# KiCad board CLN17-V1.5.kicad_pcb (continued)
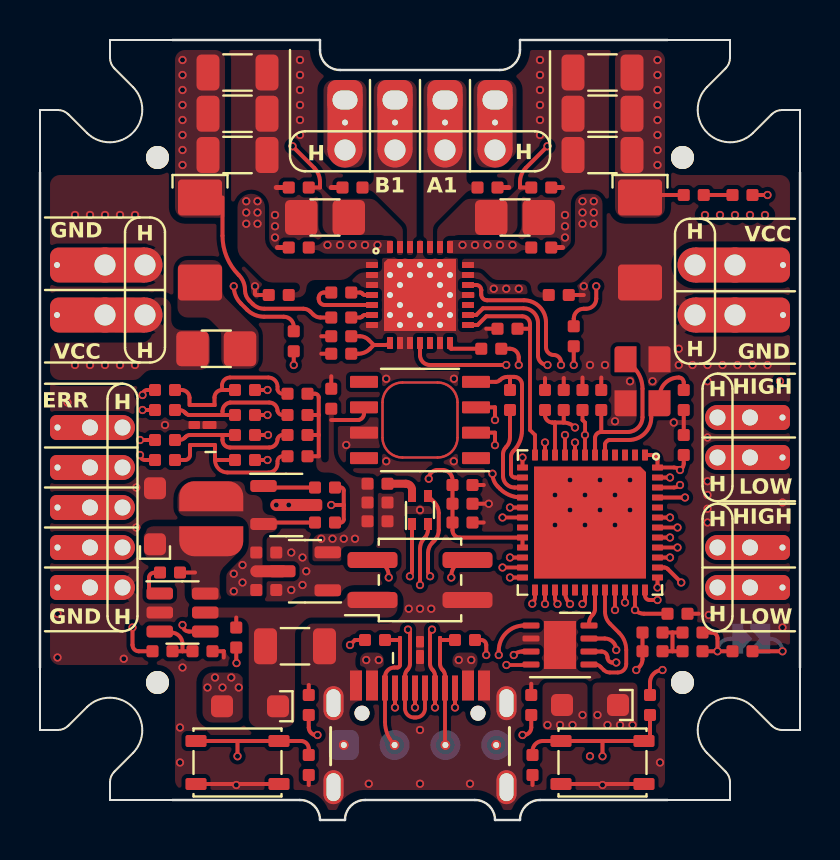
[diagram p0: board, top side]
## Routing (per net, layer and track width the routed paths; a pad name or vN(x,y) marks a point on that pad's centre or on a via; arc(x,y) is an arc through that point) (continued)
/A2: length 3
  Top w0.3: 22.2,33.5 J4.4
  In2.Cu w1.5: J4.4 J4.4
  vias: v1(27.12,30.94) v1(27.12,30.38) v1(27.12,29.81) v1(27.69,30.94) v1(27.69,30.38) v1(27.69,29.81)
/B1: length 5
  In1.Cu w1.5: J4.2 J4.2
  In2.Cu w1.5: J4.2 J4.2
/B2: length 3.1
  Top w0.3: 15.8,33.5 J4.1
  In2.Cu w1.5: J4.1 J4.1
  vias: v1(10.31,30.94) v1(10.31,30.38) v1(10.31,29.81) v1(10.88,30.94) v1(10.88,30.38) v1(10.88,29.81)
/CAN_IO: length 6.3
  Top w0.19: IC1.32 28.25,10.42 arc(28.31,10.09) 28.5,9.81 28.96,9.35 arc(29.22,8.96) 29.31,8.5 29.31,7.8 arc(29.19,7.5) 28.89,7.38 28.49,7.38 arc(28.33,7.41) 28.19,7.5 28.02,7.66 arc(27.9,7.75) 27.75,7.77
  Top w0.195: U8.5 27.75,7.77
/CAN_N: length 27.4
  Top w0.2: v1(28.81,7.88) 28.59,7.88 arc(28.43,7.96) 28.38,8.12 arc(28.29,8.34) 28.08,8.42 27.7,8.42 ; R28.1 R31.1 30.12,8.04 arc(30.08,7.83) 29.97,7.66 v1(29.81,7.5)
  In1.Cu w0.15: v1(29.81,7.5) 30.62,8.31 ; 30.62,8.31 33.83,11.52 arc(33.86,11.57) J7.2 ; 30.62,8.31 arc(30.35,8.13) 30.02,8.06 29.27,8.06 arc(29.02,8.01) v1(28.81,7.88)
  In1.Cu w0.2: J6.2 J6.2 ; J7.2 J7.2
  In2.Cu w0.2: 36.5,18.12 J6.2 ; 36.5,18.12 J6.2 ; 36.5,18.12 36.5,11.62 ; J7.2 36.5,11.62 ; 36.5,11.62 J7.2
/CAN_P: length 35.6
  Top w0.2: 27.7,9.08 28.24,9.08 arc(28.64,8.91) v1(28.81,8.5) ; R8.2 v1(37.12,8.44)
  In1.Cu w0.15: J7.1 33.38,13.13 arc(32.96,12.5) 32.81,11.77 32.81,11.47 arc(32.71,10.98) 32.44,10.56 30.38,8.5 arc(30.2,8.38) 29.99,8.34 29.19,8.34 arc(28.99,8.38) v1(28.81,8.5)
  In1.Cu w0.2: 36.5,13.62 36.5,9.62 arc(36.6,9.11) 36.9,8.67 v1(37.12,8.44) ; 36.5,13.62 36.5,20.12 ; 36.5,13.62 J7.1 ; 36.5,13.62 J7.1 ; 36.5,20.12 J6.1 ; 36.5,20.12 J6.1
  In2.Cu w0.2: J6.1 J6.1 ; J7.1 J7.1
  Bottom w0.2: JP1.2 36.5,9.06 arc(36.94,8.88) v1(37.12,8.44)
/CAN_RX: length 19
  Top w0.19: IC1.46 31.7,16.62 arc(31.86,16.66) v1(32,16.75) ; 23.32,7.75 24.52,7.75
  Top w0.2: 24.52,7.75 U8.4 24.75,7.77 24.77,7.75 ; v1(23.32,7.75) 23.32,7.75
  In1.Cu w0.13: 23.44,7.8 23.39,7.75 v1(23.32,7.75) 23.34,7.77 23.71,7.77 23.78,7.79 23.92,7.85 23.97,7.9 24.13,8.06 24.21,8.14 24.4,8.28 24.61,8.39 24.84,8.46 25.07,8.5 25.19,8.5 27.45,8.5 27.57,8.5 27.8,8.54 28.03,8.61 28.24,8.72 28.43,8.86 28.52,8.94 28.55,8.98 28.64,9.01 28.69,9.02 29.69,9.02 arc(30.22,9.12) 30.67,9.42 31.12,9.88 arc(31.46,10.38) 31.58,10.97 31.58,11.88 arc(31.64,12.18) 31.81,12.44 32.34,12.97 arc(32.56,13.29) 32.63,13.67 32.63,14.63 arc(32.56,15.01) 32.34,15.34 31.95,15.73 arc(31.81,15.94) 31.76,16.19 arc(31.82,16.49) 31.99,16.74 v1(32,16.75)
/CAN_SD: length 1.9
  Top w0.2: IC1.31 27.75,10.55 arc(27.72,10.39) 27.62,10.25 arc(27.5,10.06) 27.45,9.83 U8.8
/CAN_TX: length 19.8
  Top w0.2: v1(22.94,8.25) 22.94,8.46 arc(23.31,9.35) 24.2,9.73 24.8,9.73 ; IC1.47 v1(31.5,17.12)
  In1.Cu w0.13: v1(31.5,17.12) 31.5,16.12 arc(31.56,15.84) 31.72,15.59 32.08,15.23 arc(32.3,14.91) 32.38,14.52 32.38,13.78 arc(32.3,13.4) 32.08,13.07 31.53,12.52 arc(31.38,12.24) 31.32,11.93 31.32,11 arc(31.22,10.48) 30.92,10.04 30.53,9.65 arc(30.12,9.37) 29.62,9.27 28.64,9.27 arc(28.49,9.25) 28.37,9.16 28.37,9.16 arc(27.96,8.89) 27.48,8.79 24,8.8 23.9,8.79 23.71,8.76 23.52,8.7 23.35,8.61 23.19,8.5 23.12,8.43 v1(22.94,8.25)
/CC1: length 6.6
  Top w0.2: R29.2 13.44,4.62 arc(13.51,4.4) 13.7,4.26 13.86,4.26 v1(13.88,4.25) ; J3.A5 v1(17.75,5.62)
  In1.Cu w0.13: v1(17.75,5.62) 17.07,4.94 arc(16.58,4.61) 16,4.5 14.48,4.5 arc(14.15,4.44) v1(13.88,4.25) 13.88,4.25
/CC2: length 6.3
  Top w0.2: v1(24.12,4.25) 24.13,4.25 24.25,4.25 arc(24.47,4.38) 24.56,4.63 R37.2 ; J3.B5 v1(20.75,5.62)
  In1.Cu w0.13: 24.12,4.25 v1(24.12,4.25) arc(23.85,4.44) 23.52,4.5 21.88,4.5 arc(21.08,4.83) v1(20.75,5.62)
/CPI: length 3.7
  Top w0.2: C27.2 14.2,26.37 arc(14.01,26.3) 13.94,26.12 13.94,26.05 arc(14.02,25.84) 14.23,25.75 U1.5
/CPO: length 1.1
  Top w0.2: C27.1 16.01,26.37 arc(16.06,26.37) 16.1,26.34 16.15,26.29 arc(16.19,26.26) 16.24,26.25 U1.4
/CTRL_CS: length 25.4
  Top w0.2: v1(11.38,21.5) 10.73,21.5 ; v1(27.12,10.8) 27.25,10.92 ; 27.25,10.88 IC1.30
  In1.Cu w0.13: v1(11.38,21.5) 10.94,21.07 arc(10.74,20.77) 10.67,20.41 10.67,17.87 arc(10.84,17.46) 11.25,17.3 13.26,17.3 arc(13.31,17.29) 13.36,17.29 arc(13.41,17.29) 13.46,17.28 13.51,17.27 arc(13.6,17.25) 13.69,17.22 arc(13.78,17.17) 13.87,17.12 13.91,17.1 arc(13.95,17.07) 13.98,17.04 arc(14.02,17) 14.05,16.97 16.46,14.56 arc(17.57,13.82) 18.88,13.56 arc(20.18,13.3) 21.29,12.56 22.63,11.22 arc(22.99,10.98) 23.41,10.9 23.83,10.9 arc(23.86,10.9) 23.89,10.9 arc(23.92,10.9) 23.96,10.91 23.99,10.92 arc(24.05,10.94) 24.11,10.97 24.14,10.98 arc(24.16,11) 24.19,11.02 arc(24.21,11.05) 24.24,11.07 24.3,11.13 arc(24.32,11.15) 24.33,11.17 arc(24.35,11.18) 24.37,11.2 ; 24.48,11.24 arc(24.43,11.23) 24.39,11.21 ; 23.86,10.9 arc(24.05,10.94) 24.21,11.05 24.32,11.15 arc(24.43,11.23) 24.57,11.26 26.49,11.26 arc(26.67,11.22) 26.81,11.12 27.12,10.82 arc(27.12,10.81) v1(27.12,10.8)
/CTRL_MISO: length 26.5
  Top w0.19: IC1.42 v1(31.88,14.62)
  Top w0.2: 10.73,18 v1(11.38,18)
  In1.Cu w0.13: 24,11.57 24.06,11.63 ; 24,11.57 24.06,11.63 ; 24,11.57 arc(23.83,11.46) 23.64,11.42 ; 24,11.57 arc(23.83,11.46) 23.64,11.42 ; 24.06,11.63 arc(24.22,11.74) 24.41,11.78 ; 24.06,11.63 arc(24.22,11.74) 24.41,11.78 ; 23.64,11.42 23.41,11.42 arc(23.19,11.46) 23,11.59 21.49,13.1 arc(20.38,13.84) 19.07,14.1 arc(17.76,14.36) 16.65,15.1 14.33,17.43 arc(14.28,17.48) 14.23,17.53 arc(14.18,17.57) 14.12,17.62 14.06,17.66 arc(13.95,17.74) 13.83,17.8 arc(13.7,17.86) 13.57,17.91 arc(13.44,17.95) 13.3,17.98 13.23,17.99 arc(13.16,18) 13.09,18 arc(13.02,18) 12.95,18 v1(11.38,18) ; 24.41,11.78 26.58,11.78 arc(27.63,11.99) 28.52,12.58 30.18,14.24 arc(30.6,14.53) 31.1,14.63 31.87,14.63 arc(31.87,14.63) v1(31.88,14.62)
/CTRL_MOSI: length 26.6
  Top w0.2: IC1.43 v1(31.5,15.12) ; v1(11.38,20.25) R17.1
  In1.Cu w0.13: 24.31,12.04 26.57,12.04 arc(27.53,12.23) 28.34,12.77 30.13,14.56 arc(30.76,14.98) v1(31.5,15.12) ; 24.31,12.04 arc(24.12,12) 23.95,11.89 ; 24.31,12.04 arc(24.12,12) 23.95,11.89 ; 23.54,11.68 23.41,11.68 arc(23.29,11.7) 23.18,11.77 21.59,13.36 arc(20.49,14.1) 19.18,14.36 arc(17.87,14.62) 16.76,15.36 12.23,19.9 arc(11.84,20.16) v1(11.38,20.25) ; 23.54,11.68 arc(23.73,11.72) 23.89,11.83 ; 23.54,11.68 arc(23.73,11.72) 23.89,11.83 ; 23.95,11.89 23.89,11.83 ; 23.95,11.89 23.89,11.83
/CTRL_SCK: length 27.7
  Top w0.2: R35.1 v1(11.4,19.25) ; IC1.41 v1(31.5,14.12)
  In1.Cu w0.13: 24.17,11.37 24.1,11.31 ; 24.17,11.37 24.1,11.31 ; 24.17,11.37 arc(24.33,11.48) 24.52,11.52 ; 24.17,11.37 arc(24.33,11.48) 24.52,11.52 ; 24.1,11.31 arc(23.94,11.2) 23.75,11.16 ; 24.1,11.31 arc(23.94,11.2) 23.75,11.16 ; v1(31.5,14.12) 30.76,14.12 arc(30.46,14.06) 30.2,13.89 28.7,12.4 arc(27.73,11.75) 26.58,11.52 24.52,11.52 ; 23.75,11.16 23.41,11.16 arc(23.09,11.22) 22.82,11.4 21.38,12.84 arc(20.27,13.58) 18.96,13.84 arc(17.65,14.1) 16.55,14.84 14.16,17.23 arc(14.13,17.26) 14.09,17.3 arc(14.06,17.33) 14.02,17.36 13.97,17.38 arc(13.89,17.44) 13.8,17.48 arc(13.71,17.51) 13.62,17.53 13.57,17.54 arc(13.52,17.55) 13.47,17.55 arc(13.42,17.55) 13.37,17.55 11.32,17.55 arc(11.04,17.67) 10.93,17.95 10.93,18.12 arc(11.05,18.73) v1(11.4,19.25)
/DIR: length 9.9
  Top w0.2: 5.77,20.5 v1(5.12,20.5)
  In1.Cu w0.13: J5.3 J5.3 4.71,15.62 arc(5.27,15.86) 5.5,16.42 5.5,19.59 arc(5.4,20.08) v1(5.12,20.5)
/ENB: length 22.4
  Top w0.2: 5.77,21.5 5.38,21.5 arc(5.2,21.43) v1(5.12,21.25)
  Top w0.6: v1(11.81,15.75) Q1.3
  In1.Cu w0.13: v1(5.12,21.25) 5.37,21 arc(5.66,20.57) 5.76,20.07 5.76,13.65
  In1.Cu w0.4: J5.2 J5.2 J5.2
  In1.Cu w0.5: J5.2 7.45,13.62 arc(8.59,13.85) 9.56,14.5 10.46,15.39 arc(10.81,15.64) 11.22,15.75 12.37,15.75 12.38,15.75
  vias: v1(12.44,15.75)
/ENC_CS: length 6.6
  Top w0.2: v1(22.75,20) 22.75,20.63 U2.3 ; v1(22.62,17.31) arc(22.69,16.97) 22.89,16.67 23,16.56 arc(23.48,16.24) 24.04,16.13
  In1.Cu w0.13: v1(22.75,20) 22.6,19.85 arc(22.34,19.46) 22.25,19 22.25,18.16 arc(22.35,17.67) 22.62,17.25
/ENC_DIO: length 8.6
  Top w0.2: 23.5,21.38 23.5,22.16 ; U2.4 22.77,21.91 arc(22.89,21.93) 23,22 arc(23.17,22.11) 23.37,22.16 23.71,22.16 arc(23.99,22.04) 24.1,21.77 24.1,19.5 arc(23.99,18.92) 23.66,18.44 arc(23.58,18.31) 23.55,18.17 23.55,17.32 arc(23.61,17.18) 23.74,17.12 IC1.14
/ENC_MOSI: length 4.7
  Top w0.2: IC1.15 23.73,16.62 arc(23.32,16.79) 23.15,17.2 23.15,18.28 arc(23.19,18.48) 23.3,18.64 arc(23.45,18.86) 23.5,19.13 R36.2
/ENC_SCK: length 3.6
  Top w0.2: U2.2 22.75,19.37 v1(22.75,18.74) ; IC1.13 v1(24.12,18.12)
  In1.Cu w0.13: v1(22.75,18.74) 22.83,18.66 arc(23.43,18.26) v1(24.12,18.12)
/ERR: length 5.2
  Top w0.2: R3.2 v1(5,19)
  In1.Cu w0.13: J5.5 J5.5 4.38,19.62 arc(4.82,19.44) v1(5,19)
/EXP_RX: length 15.8
  Top w0.19: IC1.40 v1(31.88,13.62)
  Top w0.2: 21.12,13 J9.4 arc(20.8,12.76) 20.56,12.19 v1(20.56,12.12)
  In1.Cu w0.13: v1(31.88,13.62) 31.45,13.62 arc(30.69,13.47) 30.04,13.04 27.5,10.5 arc(27.34,10.39) 27.15,10.35 23.33,10.35 arc(22.81,10.46) 22.36,10.75 21.14,11.97 arc(20.98,12.09) 20.78,12.12 v1(20.56,12.12)
/EXP_TX: length 18
  Top w0.2: IC1.39 v1(31.5,13.12) ; 16.88,13 J9.3 arc(17.2,12.76) 17.44,12.19 v1(17.44,12.12)
  In1.Cu w0.13: v1(17.44,12.12) 17.85,11.72 arc(18.3,11.41) 18.84,11.3 20.59,11.3 arc(21.38,11.15) 22.05,10.7 22.2,10.55 arc(22.7,10.21) 23.3,10.09 27.15,10.09 arc(27.44,10.15) 27.68,10.31 29.97,12.61 arc(30.55,12.99) 31.23,13.13 v1(31.5,13.12)
/FB: length 2.9
  Top w0.2: 7.12,8.44 7.12,8.8 arc(6.96,9.21) 6.55,9.38 6.04,9.38 arc(6,9.39) U9.3 ; 7.12,8.44 R10.2 ; 7.12,8.44 R9.1
/IA: length 8.4
  Top w0.2: 25.26,18.25 IC1.11 v1(25.25,18.88) ; R25.1 v1(26.69,22.75)
  In1.Cu w0.13: v1(25.25,18.88) 25.27,18.85 arc(25.74,18.54) 26.29,18.43 26.9,18.43 arc(27.46,18.66) 27.7,19.22 27.7,19.35 arc(27.66,19.54) 27.55,19.7 27.26,19.99 arc(26.84,20.62) 26.69,21.37 v1(26.69,22.75)
/IB: length 18.5
  Top w0.2: R34.1 v1(12.69,22.75) ; IC1.17 v1(23.5,15.62)
  In1.Cu w0.13: v1(12.69,22.75) 13.21,22.23 arc(14.03,21.01) 14.31,19.56 arc(14.47,18.75) 14.93,18.07 17.22,15.78 arc(18.02,15.24) 18.97,15.05 20.27,15.05 arc(21.04,14.9) 21.69,14.47 21.81,14.34 arc(22.33,14) 22.94,13.88 23.2,13.88 arc(23.36,13.91) 23.5,14 arc(23.69,14.28) 23.75,14.6 23.75,15.02 arc(23.69,15.35) v1(23.5,15.62)
/OSC_IN: length 6.5
  Top w0.2: C6.2 32.19,21.88 arc(32.11,22.05) 31.94,22.12 arc(31.26,21.84) 30.98,21.16 Y1.1 ; IC1.5 28.25,18.25 28.25,18.79 arc(28.32,18.93) 28.46,19 28.46,19 29.44,19 arc(30.23,19.33) 30.56,20.12 30.56,20.42
/OSC_OUT: length 8.1
  Top w0.2: 28.06,19.4 29.38,19.4 arc(29.91,19.62) 30.12,20.14 30.12,21.56 arc(30.01,22.14) 29.68,22.63 Y1.3 ; 28.06,19.4 C7.2 ; 28.06,19.4 arc(27.84,19.31) 27.75,19.09 27.75,18.25 IC1.6
/PDN: length 1.8
  Top w0.2: U1.14 20.5,23.63 arc(20.52,23.58) 20.56,23.56 R14.1
/RA: length 14.7
  Top w0.2: R25.2 26.69,25.06 arc(26.83,25.42) 27.19,25.56 27.31,25.56 arc(27.67,25.71) 27.81,26.06 v1(27.81,26.69) ; C33.1 24,31.62 24,31.9 arc(24.08,32.28) 24.29,32.61 v1(25.38,33.69)
  In1.Cu w0.13: v1(25.38,33.69) 25.86,33.69 arc(26.34,33.59) 26.74,33.32 27.95,32.12 arc(28.22,31.71) 28.31,31.23 28.31,27.89 arc(28.18,27.24) v1(27.81,26.69)
/RB: length 16.2
  Top w0.2: v1(12.62,33.69) 13.71,32.61 arc(13.92,32.28) 14,31.9 14,31.62 C28.1 ; R34.2 12.69,24.66 arc(12.54,25.02) 12.19,25.16 11.21,25.16 arc(10.74,25.25) 10.35,25.52 10.05,25.82 arc(9.78,26.22) v1(9.69,26.69)
  In1.Cu w0.13: v1(9.69,26.69) 9.69,31.23 arc(9.78,31.71) 10.05,32.12 11.26,33.32 arc(11.66,33.59) 12.14,33.69 v1(12.62,33.69)
/RESET: length 33.6
  Top w0.19: 27.26,19.25 27.26,19.87 27.12,20 C31.1 ; v1(27.25,19.25) IC1.7
  Top w0.2: 27.26,19.25 v1(27.25,19.25) ; R13.2 30.5,6.88 arc(30.68,7.32) v1(31.12,7.5)
  In2.Cu w0.13: J8.4 23.34,3.22 arc(24,2.78) 24.78,2.62 28.68,2.62 arc(30.18,3.21) 30.87,4.67 30.87,4.75 30.87,6.89 arc(30.94,7.22) v1(31.12,7.5) 31.83,8.21 arc(32.53,9.25) 32.77,10.47 32.77,18.16 arc(32.55,18.7) 32.01,18.93 28.03,18.93 arc(27.61,19.01) v1(27.25,19.25)
/STP: length 5.4
  Top w0.2: R2.2 5.25,18 arc(5.07,18.07) v1(5,18.25)
  In1.Cu w0.13: J5.4 J5.4 4.38,17.62 arc(4.82,17.81) v1(5,18.25)
/SW: length 0.6
  Top w0.2: 7.12,12.38 7.75,12.38
/SW1: length 37.8
  Top w0.2: C22.1 13.44,3.56 arc(13.32,3.84) 13.05,3.95 SW1.1 9.88,3.95 ; SW1.1 9.88,3.95 ; 9.88,3.95 v1(9.88,3.19) ; IC1.38 31.21,12.62 arc(31.3,12.61) 31.38,12.55 v1(32.06,11.88)
  In1.Cu w0.13: v1(27.5,3.19) 27.48,3.19 27.3,3 arc(27.05,2.91) 26.79,2.88 10.63,2.88 arc(10.22,2.96) v1(9.88,3.19)
  In2.Cu w0.13: v1(27.5,3.19) 27.58,3.26 27.58,3.36 arc(27.74,3.56) 27.99,3.63 29.14,3.63 arc(29.97,3.97) 30.31,4.8 30.31,7.33 arc(30.39,7.72) 30.61,8.05 31.67,9.11 arc(32.09,9.74) 32.24,10.49 32.24,11.5 ; v1(32.06,11.88) arc(32.2,11.67) 32.25,11.43
/SW2: length 25.1
  Top w0.2: 28.12,3.95 SW2.1 25.13,3.95 arc(24.77,3.8) 24.62,3.44 C18.1 ; 28.12,3.95 v1(28.12,3.19) ; 28.12,3.95 SW2.1 arc(30.41,4.04) 30.5,4.25 R13.1 ; v1(32.25,16.12) IC1.45
  In2.Cu w0.13: v1(28.12,3.19) 28.97,3.19 arc(30.13,3.67) 30.61,4.83 30.61,7.4 arc(30.66,7.65) 30.81,7.87 31.85,8.91 arc(32.34,9.64) 32.51,10.51 32.51,15.5 32.51,15.5 arc(32.44,15.84) v1(32.25,16.12)
/SWCLK: length 6.8
  Top w0.19: J3.B8 17.25,4.91 arc(17.37,4.28) J8.2
  Top w0.2: J3.B8 17.25,7.15 arc(17.39,7.49) 17.72,7.62 17.88,7.62 arc(17.96,7.66) 18,7.75 U5.1 U5.10 arc(17.97,8.97) 17.89,9 17.1,9
  In1.Cu w0.13: 17.75,3.8 arc(17.74,3.77) J8.2
/SWDIO: length 6.2
  Top w0.19: J3.A8 20.25,3.8
  Top w0.195: 20.25,3.8 arc(20.26,3.77) J8.3
  Top w0.2: 20,8.24 20,9.01 ; 20,8.12 20,7.81 arc(20.03,7.65) 20.12,7.51 arc(20.22,7.37) 20.25,7.21 20.25,6.61 ; 20.9,9 20.11,9 arc(20.03,8.97) U5.6
/TMC_3V3: length 10.8
  Top w0.19: IC1.12 24.75,19.25 24.5,19.5 24.5,24.56
  Top w0.2: C40.1 24.5,24.56 24.5,24.8 arc(24.39,25.07) 24.11,25.19 22.31,25.19 21.88,24.75 U1.15
/TMC_DIAG: length 14.8
  Top w0.19: IC1.18 v1(23.12,15.12)
  Top w0.2: U1.11 19,23.25 arc(19.15,22.9) 19.5,22.75 v1(23.31,22.75)
  In1.Cu w0.13: v1(23.31,22.75) 23.44,22.62 23.44,20.83 arc(23.68,19.6) 24.38,18.56 24.42,18.51 arc(24.53,18.35) 24.57,18.16 24.57,18.13 arc(24.54,17.95) 24.44,17.81 23.48,16.85 arc(23.13,16.32) 23,15.69 23,15.43 arc(23.03,15.26) v1(23.12,15.12)
/TMC_DIR: length 12.1
  Top w0.19: IC1.9 v1(26.25,19.25)
  Top w0.2: 22.06,26.49 22.06,26.5 arc(21.99,26.68) 21.81,26.75 U1.19 ; 22.06,26.49 22.06,26.51 ; 22.06,26.49 22.06,26.28 arc(22.14,26.07) 22.35,25.99 24.19,25.99 arc(24.98,25.66) 25.3,24.88 25.3,23.64 arc(25.41,23.36) 25.69,23.25 arc(25.94,23.14) 26.05,22.89
  In1.Cu w0.13: v1(26.05,22.75) 26.05,19.73 arc(26.1,19.47) v1(26.25,19.25)
/TMC_PDN: length 14.2
  Top w0.2: R14.2 23.5,23.56 arc(23.81,23.43) 23.94,23.12 v1(23.94,22.75) ; IC1.22 v1(23.5,13.12) ; IC1.24 v1(23.5,12.12)
  In1.Cu w0.13: v1(23.5,12.12) 23.57,12.19 23.57,13.05 v1(23.5,13.12) 23.95,13.57 arc(24.6,14.55) 24.83,15.7 24.83,18.22 arc(24.78,18.46) 24.65,18.66 24.56,18.75 arc(23.92,19.7) 23.7,20.83 23.7,22.17 arc(23.76,22.48) v1(23.94,22.75)
/TMC_STP: length 12
  Top w0.2: U1.16 21.81,25.25 22.15,25.59 24.17,25.59 arc(24.69,25.37) 24.9,24.86 24.9,23.23 arc(25.04,22.89) v1(25.38,22.75) ; IC1.8 v1(26.75,18.87)
  In1.Cu w0.13: v1(25.38,22.75) arc(25.65,22.33) 25.75,21.84 25.75,19.27 arc(25.9,18.9) 26.27,18.75 26.45,18.75 arc(26.61,18.78) v1(26.75,18.87)
/USB_DN: length 18.3
  Top w0.19: J3.A7 19.25,5.58 arc(19.12,5.26) 18.8,5.12 18.7,5.12 arc(18.38,5.26) 18.25,5.58 J3.B7 ; v1(28.75,10.5) IC1.33
  Top w0.2: v1(18.4,9.52) 18.5,9.42 U5.9 ; 18.5,8.12 18.5,7.81 arc(18.47,7.65) 18.38,7.51 arc(18.28,7.37) 18.25,7.21 18.25,6.61 ; 18.5,8.24 18.5,9.01
  In1.Cu w0.13: v1(28.75,10.5) 28.47,10.5 arc(28.25,10.46) 28.07,10.34 27.86,10.13 arc(27.54,9.91) 27.16,9.83 20.42,9.84 arc(20.34,9.85) 20.28,9.89 20.26,9.91 arc(20.2,9.95) 20.12,9.96 19.47,9.96 arc(18.89,9.85) v1(18.4,9.52)
/USB_DP: length 17
  Top w0.2: U5.7 19.5,9.42 v1(19.6,9.52) ; 19.5,8.12 19.5,7.81 arc(19.53,7.65) 19.62,7.51 arc(19.72,7.37) 19.75,7.21 19.75,6.61 ; IC1.34 v1(29.25,10.87) ; J3.B6 v1(19.75,5.62) ; 18.75,6.62 v1(18.75,5.62) ; 19.5,8.24 19.5,9.01
  In1.Cu w0.13: v1(29.25,10.87) 29.25,10.54 arc(29.11,10.2) 28.77,10.05 28.32,10.05 arc(28.17,10.03) 28.04,9.94 arc(27.64,9.67) 27.16,9.58 19.73,9.58 arc(19.66,9.56) v1(19.6,9.52) ; v1(19.75,5.62) v1(18.75,5.62)
/VCP: length 1.1
  Top w0.2: U1.6 16.24,25.25 arc(16.19,25.24) 16.15,25.21 16.1,25.16 arc(16.06,25.13) 16.01,25.12 C24.2
/VSENS: length 26.1
  Top w0.19: 25.75,18.37 25.75,19.75
  Top w0.2: 25.75,19.88 25.63,19.88 arc(25.63,19.87) 25.62,19.87 arc(25.36,19.98) 25.25,20.25 R6.1 ; 25.75,19.88 26.15,19.88 arc(26.47,19.81) v1(26.75,19.62) ; 25.75,19.88 25.75,19.87 ; C21.1 26.19,19.88 ; v1(36.38,31.25) R16.2
  In1.Cu w0.13: v1(37,21.94) 37,23.77 arc(36.94,24.1) 36.75,24.38 arc(36.47,24.79) 36.38,25.28 36.38,27.62 arc(36.49,28.2) 36.82,28.69 36.88,28.75 arc(37.15,29.17) 37.25,29.66 37.25,30.88 arc(37.16,31.12) 36.93,31.25 36.38,31.25 v1(36.38,31.25)
  In2.Cu w0.13: v1(26.75,19.62) arc(28.61,20.87) 30.81,21.31 35.47,21.31 arc(36.3,21.47) v1(37,21.94)
/~{BLU}: length 13.3
  Top w0.2: IC1.28 26.25,11.4 arc(26.31,11.08) v1(26.5,10.8) ; D6.3 19.72,15.88 arc(19.88,15.64) 19.94,15.35 19.94,14.5 arc(19.88,14.21) 19.72,13.97 19.62,13.87 arc(19.46,13.63) 19.4,13.34 19.4,12.44 arc(19.43,12.3) v1(19.5,12.19)
  In2.Cu w0.13: v1(26.5,10.8) 26.5,10.81 arc(26.5,10.81) 26.5,10.81 26.07,11.24 arc(25.47,11.64) 24.76,11.78 24.32,11.78 arc(24.22,11.76) 24.14,11.71 24.06,11.63 arc(23.98,11.58) 23.89,11.56 19.75,11.56 arc(19.58,11.63) 19.5,11.81 19.5,12.19 19.5,11.99
/~{CTRL_5V}: length 16.2
  Top w0.2: IC1.25 24.75,11.14 arc(24.71,10.96) v1(24.61,10.81) ; 15.19,15.75 15.19,15.02 arc(15.14,14.92) 15.04,14.88 14.72,14.88 ; 15.19,15.75 v1(14.56,15.75) ; 15.19,15.75 15.19,16.48 arc(15.14,16.58) 15.04,16.62 14.72,16.62
  In1.Cu w0.13: 24.2,10.64 23.32,10.64 arc(22.88,10.73) 22.51,10.98 21.18,12.3 arc(20.08,13.04) 18.77,13.3 arc(17.46,13.56) 16.35,14.3 15.1,15.55 arc(14.88,15.7) 14.62,15.75 ; 24.2,10.64 arc(24.42,10.68) v1(24.61,10.81) arc(24.42,10.68) 24.2,10.64
/~{GRN}: length 11.4
  Top w0.2: D6.4 19.4,14.53 arc(19.35,14.29) 19.22,14.09 arc(19.06,13.85) 19,13.56 v1(19,11.75) ; IC1.27 25.75,11.1 arc(25.78,10.94) v1(25.88,10.8)
  In2.Cu w0.13: 25.88,10.8 25.88,10.81 arc(25.87,10.81) 25.87,10.81 25.51,11.17 arc(25.12,11.43) 24.67,11.52 24.42,11.52 arc(24.33,11.5) 24.25,11.45 24.17,11.37 arc(24.09,11.32) 23.99,11.3 19.25,11.3 arc(19.07,11.37) 19,11.55 19,11.75
/~{RED}: length 11.4
  Top w0.2: D6.1 18.6,12.44 arc(18.57,12.3) v1(18.5,12.19) ; IC1.26 v1(25.25,10.8)
  In2.Cu w0.13: 25.25,10.8 25.25,10.81 arc(25.25,10.81) 25.25,10.81 24.89,11.16 arc(24.79,11.24) 24.66,11.26 24.53,11.26 arc(24.44,11.24) 24.36,11.19 24.28,11.11 arc(24.2,11.06) 24.1,11.04 18.75,11.04 arc(18.57,11.11) 18.5,11.29 18.5,12.19 arc(18.5,12.19) 18.5,12.19
VCON:
  vias: v1(1.75,22.75) v1(2.5,22.75) v1(3.25,22.75) v1(4,22.75) v1(4.75,22.75) v1(8.38,6.62) v1(8.75,7.12) v1(9.12,6.62) v1(9.56,7.12) v1(9.94,6.62) v1(33.25,30.25) v1(34,30.25) v1(34.75,30.25) v1(35.5,30.25) v1(36.25,30.25)
VD: length 3.4
  Top w0.2: C29.1 15.91,23.31 arc(16.22,23.37) 16.49,23.55 16.69,23.75 ; 16.69,23.75 17.26,23.75 arc(17.39,23.78) U1.8 ; 16.69,23.75 16.43,24.01 arc(16.23,24.14) 16,24.19 C32.1
VM: length 12.1
  Top w0.2: C24.1 14.02,25.12 arc(13.83,25.16) 13.67,25.27 13.52,25.42 arc(13.36,25.52) 13.17,25.56 11.21,25.56 arc(10.9,25.62) 10.64,25.8 10.47,25.97 arc(10.31,26.21) 10.25,26.5 arc(10.17,26.9) 9.94,27.25 arc(9.34,28.15) 9.12,29.21 9.12,31.12 ; D8.1 30.12,31.25 R5.1
  vias: v1(7.12,38) v1(7.12,37.25) v1(7.12,36.5) v1(7.12,35.75) v1(7.12,35) v1(7.12,34.25) v1(7.12,33.5) v1(7.12,32.75) v1(14.38,28.75) v1(15,28.75) v1(15.62,28.75) v1(16.25,28.75) v1(16.88,28.75) v1(21.12,28.75) v1(21.75,28.75) v1(22.38,28.75) v1(23,28.75) v1(23.62,28.75) v1(30.88,38) v1(30.88,37.25) v1(30.88,36.5) v1(30.88,35.75) v1(30.88,35) v1(30.88,34.25) v1(30.88,33.5) v1(30.88,32.75)
VUSB:
  vias: v1(16.31,8) v1(16.94,8) v1(20.94,8) v1(21.56,8) v1(25.38,4.75) v1(26,4.75) v1(26.62,4.75) v1(27.12,5.25)
Net-(D6-A): length 1.7
  Top w0.4: D6.2 18.6,16.51 arc(18.51,16.72) 18.29,16.81 R15.1
Net-(JP1-A): length 4.5
  Top w0.2: v1(33.88,8.44) 33.88,9.08 arc(33.79,9.29) 33.58,9.38 R24.1 ; v1(33.88,8.44) R30.1 ; v1(33.88,8.44) R8.1 ; v1(33.88,8.44) 33.94,8.5
  Bottom w0.2: JP1.1 34.5,9.06 arc(34.06,8.88) v1(33.88,8.44)
Net-(Q1-G): length 2.7
  Top w0.2: Q1.1 11.18,16.66 arc(11.19,16.64) 11.21,16.62 13.69,16.62 ; 11.46,16.62 arc(11.42,16.65) 11.41,16.7
Net-(R16-Pad1): length 1.4
  Top w0.2: R16.1 R5.2
Net-(R24-Pad2): length 2.9
  Top w0.2: R28.2 31.62,9.38 ; 31.62,9.38 31.62,8.44 ; 31.62,9.38 R24.2 ; 31.62,8.44 R30.2 ; 31.62,8.44 R31.2
Net-(U9-BST): length 2.1
  Top w0.2: 5.94,11.31 5.45,11.31 5.45,12.11 arc(5.52,12.29) 5.7,12.36 6.07,12.36
Net-(U9-EN): length 5.5
  Top w0.2: U9.4 7.45,9.42 arc(7.22,9.52) v1(7.12,9.75) ; v1(9.83,7.85) 9.81,7.86 R7.1
  In1.Cu w0.13: v1(9.83,7.85) 8.49,9.19 arc(7.86,9.6) v1(7.12,9.75)

## Copper pours and planes (outline as drawn; the poured copper is in the pictures)
+3V3 on Top: 13.62,14.31 13.62,12.94 15.06,12.94 15.06,13.69 16.69,13.69 16.69,17.12 15.62,17.12 14.69,18.06 14.69,20.5 14.44,20.5 14.44,17.88 14.06,17.88 14,20.62 13.88,18.44 13.81,18.12 13.81,17.38 14.81,17.38 15.5,16.69 15.5,14.75 15.06,14.31
+3V3 on In2.Cu: 23.12,14.25 22.44,14.94 20,17.38 18.88,17.38 18.88,14.94 13.75,14.94 13.75,13.19 20.88,13.19 22.25,11.82 25.5,11.82 27.88,9.44 29.88,9.44 31.12,10.69 31.12,16 32.25,17.13 32.25,18.32 30,18.32 30,14.25
+5V on Top: 27.62,6.88 27.62,4.5 29.88,4.5 29.88,6.88
+5V on Top: 6.88,16.94 6.88,15.19 10.06,15.19 10.44,14.81 10.44,13.44 9.31,12.31 9.31,11.19 11.12,11.19 11.12,14.38 11.88,14.38 11.89,15.25 11.12,15.25 11.12,16.25 10.25,16.25 10.25,16.94
+5V on In2.Cu: 27.62,5.63 27.62,4 30,4 30,7 26.62,10.38 24.5,10.38 24.12,10.75 11.25,10.75 11.25,13.13 9.44,13.13 9.44,10.32 11.19,8.57 17.25,8.57 17.75,8 20.12,8 20.62,8.5 23,8.5 23.75,7.75 25.5,7.75
GND on Top, Bottom: 6.75,38.5 6.75,33.12 5.88,32.25 0.5,32.25 0.5,7.75 5.88,7.75 6.75,6.88 6.75,1.5 13.25,1.5 14.25,0.5 23.88,0.5 24.88,1.5 31.25,1.5 31.25,6.88 32.12,7.75 37.5,7.75 37.5,32.25 32.12,32.25 31.25,33.12 31.25,38.5
GND on In1.Cu, In2.Cu: 6.75,38.5 6.75,33.12 5.88,32.25 0.5,32.25 0.5,7.75 5.88,7.75 6.75,6.88 6.75,1.5 13.25,1.5 14.25,0.5 23.88,0.5 24.88,1.5 31.25,1.5 31.25,6.88 32.12,7.75 37.5,7.75 37.5,32.25 32.12,32.25 31.25,33.12 31.25,38.5
VBUS on Top: 7.75,10.62 12.69,10.62 12.94,10.88 14.94,10.88 15.5,11.44 17.88,11.44 17.88,10.12 13.38,10.12 12.75,9.5 12.75,4.62 10.44,4.62 10.44,10.12 7.75,10.12
/A1 on Top: 19.65,27.99 19.17,27.99 19.17,37 21.33,37 21.33,31.75 21.94,31.75 21.94,31.5 21.44,31.5 19.65,29.71
/A2 on Top: 21.1,28.06 21.1,27.59 22.1,27.59 22.69,27 24.56,27 24.56,26.12 25.56,26.12 25.56,26.38 24.88,26.38 24.88,26.88 26.75,26.88 28.12,28.25 28.12,31.31 26.75,31.31 26.75,28.75 26.06,28.06
/A2 on Top: 21.67,33.27 21.67,37 23.83,37 23.83,33.35 23.1,32.62 21.9,32.62
/A2 on Bottom, In1.Cu: 23.88,37 21.62,37 21.62,32.38 23.25,30.75 26.75,30.75 26.75,29.25 28.06,29.25 28.06,31.56 26.44,33.19 25.12,33.19 23.88,34.44
/B1 on Top: 18.35,27.99 18.83,27.99 18.83,37 16.68,37 16.68,31.75 16,31.75 16,31.5 16.56,31.5 18.35,29.73
/B2 on Top: 16.32,33.27 16.32,37 14.18,37 14.18,33.35 14.9,32.62 16.1,32.62
/B2 on Top: 11.94,28.06 16.9,28.06 16.9,27.59 15.9,27.59 15.31,27 13.31,27 13.31,26.12 12.25,26.12 12.25,26.38 13,26.38 13,26.88 11.31,26.88 9.88,28.31 9.88,31.31 11.25,31.31 11.25,28.75
/B2 on Bottom, In1.Cu: 14.12,37 16.38,37 16.38,32.38 14.75,30.75 11.25,30.75 11.25,29.25 9.94,29.25 9.94,31.56 11.56,33.19 12.88,33.19 14.12,34.44
/RA on Top: 19.85,27.98 20.15,27.98 20.15,28.69 20.71,29.25 23.88,29.25 23.88,31.25 24.12,31.5 24.56,31.5 24.56,31.75 24.06,31.75 23.38,31.06 21.31,31.06 19.85,29.6
/RB on Top: 18.15,27.98 17.85,27.98 17.85,28.62 17.23,29.25 14.12,29.25 14.12,31.25 13.88,31.5 13.44,31.5 13.44,31.75 13.94,31.75 14.62,31.06 16.69,31.06 18.15,29.6
/SW on Top: 5.19,14.69 10.11,14.69 10.11,13.56 9.31,12.75 9.31,11 7.56,11 7.56,13 5.19,13
/VMP on Top: 6.88,28 6.88,25.12 8.38,25.12 9.06,24.44 9.06,22.56 10.94,22.56 10.94,24.44 9.12,26.25 9.12,28
VCON on Top: 5.75,24.38 5.31,23.88 0.5,23.88 0.5,22 4.88,22 5.38,22.5 8.5,22.5 8.5,24.5 6.56,24.5 6.56,26.12 0.5,26.12 0.5,24.38
VCON on Top: 8.12,7.38 10.19,7.38 10.19,4.88 8.12,4.88
VCON on In1.Cu: 0.5,26.25 15.69,26.25 17.75,24.19 20.25,24.19 22.31,26.25 27.81,26.25 29.5,27.94 29.5,29.81 31.81,32.12 37.5,32.12 37.5,26.75 32.12,26.75 31.25,25.88 31.25,23.19 23.12,23.19 22.5,22.56 14.94,22.56 14.31,23.19 8.75,23.19 7.56,22 0.5,22
VCON on In2.Cu: 0.5,26.25 15.69,26.25 17.75,24.19 20.25,24.19 22.31,26.25 25.5,26.25 31.38,32.12 37.5,32.12 37.5,26.75 32.12,26.75 31.25,25.88 31.25,23.19 23.12,23.19 22.5,22.56 14.94,22.56 14.31,23.19 9.12,23.19 9.12,10.25 10.25,9.12 10.25,6.31 8.06,6.31 8.06,8.04 5.88,10.12 5.88,22 0.5,22
VM on Top: 20.35,28.31 20.35,28.92 20.42,29 23.81,29 24.06,28.73 24.76,28.73 24.76,28.5 24.06,28.5 23.88,28.31
VM on Top: 6.75,30.12 6.75,38.5 9.25,38.5 9.25,30.11
VM on Top: 17.66,28.31 17.66,28.92 17.59,29 14.2,29 13.95,28.73 13.25,28.73 13.25,28.5 13.95,28.5 14.19,28.31
VM on Top: 28.75,30.12 28.75,38.5 31.25,38.5 31.25,30.11
VM on In2.Cu: 6.75,38.5 7.81,38.5 14.44,31.88 23.56,31.88 30.19,38.5 31.25,38.5 31.25,32.25 27.69,32.25 23.69,28.25 14.31,28.25 10.31,32.25 6.75,32.25
VUSB on Top: 25.12,6.88 25.12,4.5 27.38,4.5 27.38,6.88
VUSB on Top: 16.31,6 16.31,7.62 16,7.62 16,8.38 17.19,8.38 17.19,7.62 16.88,7.62 16.88,6
VUSB on Top: 21.69,6 21.69,7.5 21.88,7.75 21.88,8.38 20.62,8.38 20.62,7.62 21.12,7.62 21.12,6
VUSB on In2.Cu: 22.56,7.5 21.81,8.25 20.75,8.25 20.25,7.75 17.62,7.75 17.12,8.25 11.44,8.25 11.44,4.5 12.69,3.25 23.56,3.25 23.94,2.88 27.38,2.88 27.38,5.5 25.38,7.5

## Text on the board
B.Silkscreen: GND | B / SO / RX / RX / STP | A / SI / SDA / CK / DIR | CLK | DIO | RST | Z / SCK / TX / TX / ERR | 5V / CS / SCL / 5V / EN | ENC / SPI / I2C / URT / GND | V | H | B2 | B1 | A1 | A2 | 120Ω | HIGH | LOW | STEPPER | SWD | CLOSED LOOP DRIVER | CAN | VCC | POWER | .V1.5 | creapunk.com | CLN17
F.Silkscreen: VCC | H | ERR | GND | B1 | A1 | HIGH | LOW
